# Altium PCB PCB2.PcbDoc (part 1 of 2) (continued)
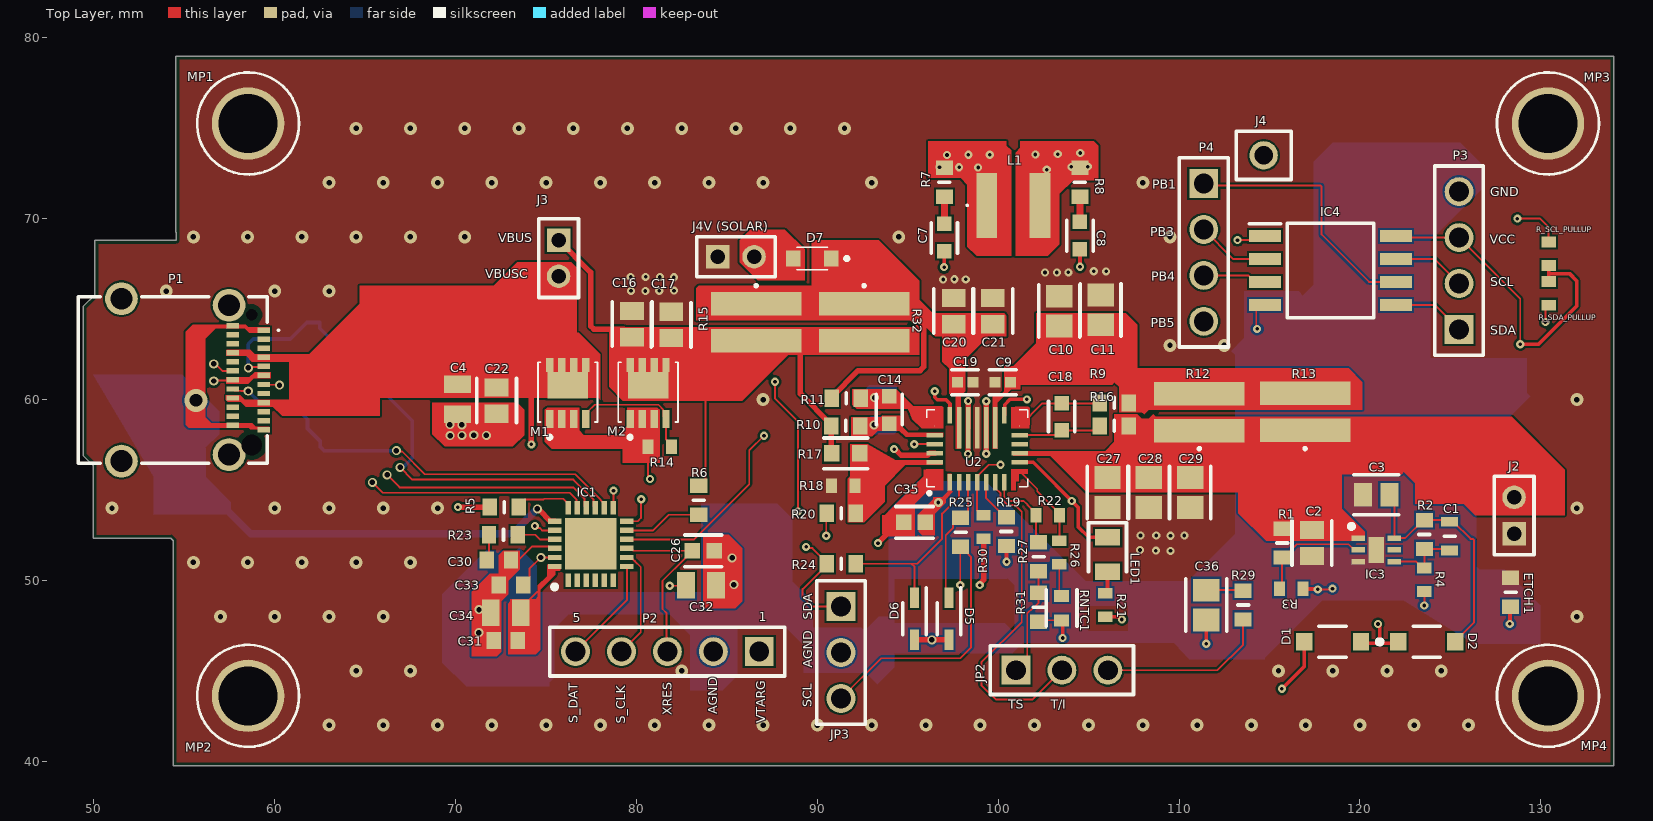
[diagram p0: Top Layer view]
## Footprints (in the part's own frame and the unit in brackets; to place one, negate y for a bottom-side part, rotate by r counter-clockwise, add the part's x,y. Pads: shape width x height; smd on the part's side, far side on the other; paste and mask are expansions set on the pad)
12401598E42A [mm]
  rect 0.3x0.7 smd: A1(-2.75,5.025) A2(-2.25,5.025) A3(-1.75,5.025) A4(-1.25,5.025) A5(-0.75,5.025) A6(-0.25,5.025) A7(0.25,5.025) A8(0.75,5.025) A9(1.25,5.025) A10(1.75,5.025) A11(2.25,5.025) A12(2.75,5.025) B1(2.5,3.325) B2(2,3.325) B3(1.5,3.325) B4(1,3.325) B5(0.5,3.325) B6(0,3.325) B7(-0.5,3.325) B8(-1,3.325) B9(-1.5,3.325) B10(-2,3.325) B11(-2.5,3.325) B12(-3,3.325)
  round 1.815 hole 1.21: MH1(-4.13,3.115) MH2(4.13,3.115) MH3(4.49,-2.835) MH4(-4.49,-2.835)
  round 0.325 hole 0.65 unplated: MH5(-3.6,4.365)
  round 0.575 hole 1.15 unplated: MH6(3.6,4.365)
  silkscreen extent -4.6,-5.23 4.6,5.9, body extent -4.6,-5.17 4.6,5.32, height 3.3
61300311121 [mm] "Pin Header, pitch 2.54 mm, THT, Vertical, single row, 3p"
  rect 1.6x1.6 hole 1.1: 1(-2.54,0)
  round 1.6 hole 1.1: 2(0,0) 3(2.54,0)
  silkscreen extent -3.96,-1.35 3.96,1.35, body extent -3.81,-1.27 3.81,1.27, height 8.57
61300411121 [mm] "Pin Header, pitch 2.54 mm, THT, Vertical, single row, 4p"
  rect 1.6x1.6 hole 1.1: 1(-3.81,0)
  round 1.6 hole 1.1: 2(-1.27,0) 3(1.27,0) 4(3.81,0)
  silkscreen extent -5.23,-1.35 5.23,1.35, body extent -5.08,-1.27 5.08,1.27, height 8.57
61300511121 [mm] "Pin Header, pitch 2.54 mm, THT, Vertical, single row, 5p"
  rect 1.6x1.6 hole 1.1: 1(-5.08,0)
  round 1.6 hole 1.1: 2(-2.54,0) 3(0,0) 4(2.54,0) 5(5.08,0)
  silkscreen extent -6.5,-1.35 6.5,1.35, body extent -6.35,-1.27 6.35,1.27, height 8.57
CAPC1608X80N [mm]
  rect 0.54x0.94 smd: 1(-0.8,0) 2(0.8,0)
  silkscreen extent 0,-0.3 0,0.3, body extent -0.8,-0.4 0.8,0.4, height 0.8
CAPC1608X87N [mm]
  rect 0.8x0.94 smd: 1(-0.67,0) 2(0.67,0)
  body extent -0.8,-0.4 0.8,0.4, height 0.87
CAPC1608X90X35NL10T15 [mm] "Chip Capacitor, 2-Leads, Body 1.60x0.80mm, IPC Medium Density"
  rect 0.85x0.95 smd: 1(-0.675,0) 2(0.675,0)
  body extent -0.85,-0.45 0.85,0.45, height 0.9
CAPC2012X145N [mm]
  rect 0.97x1.47 smd: 1(-0.83,0) 2(0.83,0)
  body extent -1,-0.63 1,0.63, height 1.45
ERJC1 [mm]
  rect 1.3x5 smd: 1(-1.025,0) 2(1.025,0)
  silkscreen extent -2.07,-0.05 -1.98,0.05, body extent -1.25,-2.5 1.25,2.5, height 0.55
FP-9901-MFG [mm]
  round 4 hole 3.264 paste-1000 mask+0: ""(0,0)
  silkscreen extent -2.82,-2.82 2.82,2.82, body extent -2.92,-2.92 2.92,2.92, height 0.25
FP-885012206071-MFG [mm]
  rect 0.8x0.8 smd paste+0 mask+0: 1(-0.75,0) 2(0.75,0)
  silkscreen extent -0.87,-0.72 0.82,0.72, body extent -1.25,-0.55 1.25,0.55, height 0.25
FP-GRM21B-0_2-e0_2_0_7-IPC_B [mm]
  rect 1.255x1.456 smd paste+0 mask+0: 1(-0.826,0) 2(0.826,0)
  silkscreen extent -1.45,-1.13 1.45,1.13, body extent -1.7,-0.98 1.7,0.98, height 0.25
FP-GRM21B-0_15-IPC_C [mm]
  rect 1.006x1.308 smd paste+0 mask+0: 1(-0.726,0) 2(0.726,0)
  silkscreen extent -1.23,-1.1 1.23,1.1, body extent -1.33,-0.8 1.33,0.8, height 0.25
FP-GRM155-0_05-IPC_B [mm]
  rect 0.615x0.572 smd paste+0 mask+0: 1(-0.429,0) 2(0.429,0)
  silkscreen extent -0.74,-0.69 0.74,0.69, body extent -0.89,-0.44 0.89,0.44, height 0.25
FP-GRM188-0_15-IPC_C [mm]
  rect 0.856x0.858 smd paste+0 mask+0: 1(-0.601,0) 2(0.601,0)
  silkscreen extent -1.03,-0.87 1.03,0.87
FP-M22-2510205-MFG [mm]
  rect 1.3x1.3 hole 0.8 paste-1000 mask+0: 1(-1,0)
  round 1.3 hole 0.8 paste-1000 mask+0: 2(1,0)
  silkscreen extent -2.17,-1.1 2.17,1.1, body extent -2.27,-1.2 2.27,1.2, height 0.25
FP-PBC01SAAN-MFG [mm]
  round 1.57 hole 1.02 paste-1000 mask+0: 1(0,0)
  silkscreen extent -1.53,-1.34 1.53,1.34, body extent -1.63,-1.44 1.63,1.44, height 0.25
FP-RC0603-0_55-IPC_B [mm]
  rect 0.859x0.912 smd paste+0 mask+0: 1(-0.777,0) 2(0.777,0)
  silkscreen extent -1.21,-0.86 1.21,0.86, body extent -1.46,-0.71 1.46,0.71, height 0.25
FP-RC0603-0_55-IPC_C [mm]
  rect 0.659x0.812 smd paste+0 mask+0: 1(-0.677,0) 2(0.677,0)
  silkscreen extent -1.01,-0.85 1.01,0.85, body extent -1.11,-0.55 1.11,0.55, height 0.25
FP-SOD123-MFG [mm]
  rect 0.9x0.95 smd paste+0 mask+0: 1(-1.575,0) 2(1.575,0)
  silkscreen extent -2.75,-0.85 0.75,0.85, body extent -2.12,-0.95 2.12,0.95, height 0.25
LEDC2012X80N [mm]
  rect 0.9x1.4 smd: 1(-0.95,0) 2(0.95,0)
  silkscreen extent -1.75,-1.05 0.95,1.05, body extent -1.03,-0.53 0.97,0.47, height 0.82
MP2651 [mm] "MP2651 – BUCK-BOOST CHARGER FOR 1 TO 4 CELLS IN SERIES"
  round 0.025 smd: 1(-1.24,2.184) 9(-1.24,-2.504) 15(1.26,-2.504) 24(1.26,2.183)
  rect 0.9x0.25 smd: 2(-1.84,1.345) 3(-1.84,0.845) 4(-1.84,0.345) 5(-1.84,-0.155) 6(-1.84,-0.655) 7(-1.84,-1.155) 8(-1.84,-1.655) 17(1.86,-1.655) 23(1.86,1.345)
  rect 0.25x0.9 smd: 11(-0.74,-2.517) 12(-0.24,-2.517) 13(0.26,-2.517) 14(0.76,-2.517)
  rect 2.3x0.25 smd: 18(1.16,-1.155) 19(1.16,-0.655) 20(1.16,-0.155) 21(1.16,0.345) 22(1.16,0.845)
  rect 0.25x0.925 smd: 26(0.76,2.183) 27(0.26,2.183) 28(-0.24,2.183) 29(-0.74,2.183)
  Top Layer region: 1.135,1.721 1.135,2.646 1.385,2.646 1.385,2.146 1.81,2.146 1.81,1.971 2.31,1.971 2.31,1.721
  Top Layer region: -2.29,1.721 -2.29,1.971 -1.79,1.971 -1.79,2.146 -1.365,2.146 -1.365,2.646 -1.115,2.646 -1.115,1.721
  Top Layer region: 2.31,-2.042 2.31,-2.292 1.81,-2.292 1.81,-2.467 1.385,-2.467 1.385,-2.967 1.135,-2.967 1.135,-2.042
  Top Layer region: -1.115,-2.042 -1.115,-2.967 -1.365,-2.967 -1.365,-2.467 -1.79,-2.467 -1.79,-2.292 -2.29,-2.292 -2.29,-2.042
  silkscreen extent -2.5,-2.94 2.17,2.63
MPLSE40302R2 [mm]
  rect 1.15x3.6 smd: 1(-1.475,0) 2(1.475,0)
  silkscreen extent -2.6,-0.05 -2.5,0.05, body extent -2,-2 2,2, height 3.1
QFN50P400X400X60-25N-D [mm]
  rect 0.75x0.3 smd: 1(-2,1.25) 2(-2,0.75) 3(-2,0.25) 4(-2,-0.25) 5(-2,-0.75) 6(-2,-1.25) 13(2,-1.25) 14(2,-0.75) 15(2,-0.25) 16(2,0.25) 17(2,0.75) 18(2,1.25)
  rect 0.3x0.75 smd: 7(-1.25,-2) 8(-0.75,-2) 9(-0.25,-2) 10(0.25,-2) 11(0.75,-2) 12(1.25,-2) 19(1.25,2) 20(0.75,2) 21(0.25,2) 22(-0.25,2) 23(-0.75,2) 24(-1.25,2)
  rect 2.85x2.85 smd: 25(0,0)
  silkscreen extent -2.5,1.88 -2.25,2.12, body extent -2.05,-2.05 2.05,2.05, height 0.6
RESC1608X55N [mm]
  rect 0.8x0.95 smd: 1(-0.8,0) 2(0.8,0)
  silkscreen extent 0,-0.3 0,0.3, body extent -0.8,-0.4 0.8,0.4, height 0.55
RESC1608X55X25LL10T15 [mm] "Chip Resistor, 2-Leads, Body 1.60x0.80mm, IPC High Density"
  rect 0.6x0.8 smd: 1(-0.65,0) 2(0.65,0)
  body extent -0.85,-0.45 0.85,0.45, height 0.55
RESC3216X65N [mm]
  rect 1.35x1.85 smd: 1(-1.4,0) 2(1.4,0)
  silkscreen extent 0,-0.7 0,0.7, body extent -1.6,-0.8 1.6,0.8, height 0.65
SOD2713X115N [mm]
  rect 1.125x0.5 smd: 1(-1.162,0) 2(1.162,0)
  silkscreen extent -1.73,-0.65 0.89,0.65, body extent -1.34,-0.65 1.34,0.65, height 1.15
SOIC127P798X216-8N [mm]
  rect 1.75x0.65 smd: 1(-3.625,1.905) 2(-3.625,0.635) 3(-3.625,-0.635) 4(-3.625,-1.905) 5(3.625,-1.905) 6(3.625,-0.635) 7(3.625,0.635) 8(3.625,1.905)
  silkscreen extent -4.5,-2.62 2.4,2.62, body extent -3.99,-2.62 3.99,2.62, height 2.16
SON65P200X200X100-7N-D [mm]
  rect 0.75x0.3 smd: 1(-1,0.65) 2(-1,0) 3(-1,-0.65) 4(1,-0.65) 5(1,0) 6(1,0.65)
  rect 0.85x1.45 smd: 7(0,0)
  silkscreen extent -1.5,1.18 -1.25,1.42, body extent -1.05,-1 1.05,1, height 1
SQ7414AENT1GE3 [mm]
  rect 0.99x0.405 smd: 1(-1.018,0.99) 2(-1.018,0.33) 3(-1.018,-0.33) 4(-1.018,-0.99)
  rect 0.76x0.405 smd: 5(1.967,-0.99) 6(1.967,-0.33) 7(1.967,0.33) 8(1.967,0.99)
  rect 1.475x2.235 smd: 9(0.85,0)
  silkscreen extent -2.12,-1.65 2.12,1.65, body extent -1.18,-1.65 2.12,1.65, height 1.06
UDZVTE1722B [mm]
  rect 0.9x0.8 smd: 1(0,0.575) 2(0,-1.525)
  silkscreen extent -0.63,-1.33 0.63,1.52, body extent -0.63,-1.76 0.63,0.74, height 0.71

## Part data
C1: "Capacitor", Manufacturer_Name=TDK, Mouser Part Number=810-C1608X7R1H102KAE, Arrow Part Number=C1608X7R1H102K080AE, Arrow Price/Stock=https://www.arrow.com/en/products/c1608x7r1h102k080ae/tdk, Datasheet Link=https://product.tdk.com/info/en/catalog/datasheets/mlcc_commercial_midvoltage_en.pdf, Height=0.8mm, Manufacturer_Part_Number=C1608X7R1H102K080AE, Mouser Price/Stock=https://www.mouser.co.uk/ProductDetail/TDK/C1608X7R1H102K080AE?qs=n%2FVzw7c4a0k2XAaPZBtj3A%3D%3D
C2 C3 C16 C17 C20 C21 C22: library part CMP-2007-03541-2, "Chip Multilayer Ceramic Capacitors for General Purpose, 0805, 10uF, X5R, 15%, 10%, 25V", Capacitance=10uF, Case Code (Imperial)=0805, Case Code (Metric)=2012, Dielectric=X5R, Max Operating Temperature=85°C, Min Operating Temperature=-55°C, Package Quantity=1, Tolerance=10%, Voltage=25V, Case/Package=0805, Depth=1.25mm, Height=1.25mm, Lead Free="Lead Free", Length=2mm, Material=Ceramic, Mount="Surface Mount", Packaging="Tape and Reel", Radiation Hardening=No, Termination=SMD/SMT, Thickness=0.053inch, Voltage Rating=25V, Voltage Rating (DC)=25V, Width=0.049inch
C4 C32 C34: "Capacitor", Manufacturer_Name="Murata Electronics", Mouser Part Number=81-GRM40X105K10K, Arrow Part Number=GRM21BR71A105KA01K, Arrow Price/Stock=https://www.arrow.com/en/products/grm21br71a105ka01k/murata-manufacturing, Datasheet Link=http://www.murata.com/~/media/webrenewal/support/library/catalog/products/capacitor/mlcc/c02e.pdf, Height=1.45mm, Manufacturer_Part_Number=GRM21BR71A105KA01K, Mouser Price/Stock=https://www.mouser.co.uk/ProductDetail/Murata-Electronics/GRM21BR71A105KA01K?qs=Rc6BINVvJ%2FiXBniUY2d%2FOg%3D%3D
C5 C6: library part CMP-2006-02914-1, Manufacturer=Murata, Part Number=GRM188R71H331KA01D
C7 C8 C12 C13 C14 C18: library part CMP-207839-000033-1, "CAP CER 0.1UF 25V X7R 0603", Capacitance=100nF, Case Code (Imperial)=0603, Case Code (Metric)=1608, Dielectric=X7R, Max Operating Temperature=125°C, Min Operating Temperature=-55°C, Tolerance=10%, Voltage Rating=25V, Case/Package=0603, Length=0.063inch, Mount="Surface Mount", Packaging="Cut Tape", RoHS Compliant=Yes, Series=WCAP-CSGP, Thickness=0.037inch, Voltage Rating (DC)=25V, Width=0.031inch
C9 C19: library part CMP-2008-04581-2, "Chip Multilayer Ceramic Capacitors for General Purpose, 0402, 1.0uF, X5R, 15%, 10%, 25V", Capacitance=1uF, Case Code (Imperial)=0402, Case Code (Metric)=1005, Dielectric=X5R, Max Operating Temperature=85°C, Min Operating Temperature=-55°C, Package Quantity=10000, Tolerance=10%, Voltage=25V, Case/Package=0402, Depth=0.5mm, Height=0.5mm, Lead Free="Lead Free", Length=1mm, Material=Ceramic, Mount="Surface Mount", Packaging="Tape and Reel", REACH SVHC="No SVHC", Termination=SMD/SMT, Thickness=0.022inch, Voltage Rating=25V, Voltage Rating (DC)=25V, Weight=0.000212oz, Width=0.5mm
C10 C11 C27 C28 C29 C36: library part CMP-2007-03222-3, "Chip Multilayer Ceramic Capacitors for General Purpose, 0805, 22uF, X5R, 15%, 20%, 25V", Capacitance=22uF, Case Code (Imperial)=0805, Case Code (Metric)=2012, Dielectric=X5R, Max Operating Temperature=85°C, Min Operating Temperature=-55°C, Package Quantity=3000, Resistor Type=Ceramic, Tolerance=20%, Voltage=25V, Case/Package=0805, Depth=1.25mm, Height=1.25mm, Lead Free="Lead Free", Length=2mm, Material=Ceramic, Mount="Surface Mount", Packaging="Tape and Reel", REACH SVHC="No SVHC", Termination=SMD/SMT, Thickness=0.057inch, Voltage Rating=25V, Voltage Rating (DC)=25V, Weight=0.000335oz, Width=1.25mm
C26 C35: library part CMP-2006-02523-2, "Chip Multilayer Ceramic Capacitors for General Purpose, 0603, 4.7uF, X5R, 15%, 10%, 25V", Capacitance=4.7uF, Case Code (Imperial)=0603, Case Code (Metric)=1608, Dielectric=X5R, Max Operating Temperature=85°C, Min Operating Temperature=-55°C, Package Quantity=4000, Tolerance=10%, Voltage=25V, Case/Package=0603, Depth=0.8mm, Height=0.8mm, Lead Free="Lead Free", Length=1.6mm, Material=Ceramic, Mount="Surface Mount", Packaging="Cut Tape", REACH SVHC="No SVHC", Thickness=0.031inch, Voltage Rating=25V, Voltage Rating (DC)=25V, Width=0.031inch
C30 C31 C33: "Capacitor", Manufacturer_Name="Wurth Elektronik", Mouser Part Number=710-885012206071, Datasheet Link=https://katalog.we-online.com/pbs/datasheet/885012206071.pdf, Height=0.87mm, Manufacturer_Part_Number=885012206071, Mouser Price/Stock=https://www.mouser.co.uk/ProductDetail/Wurth-Elektronik/885012206071?qs=0KOYDY2FL2%2FEBQkuHgvarg%3D%3D
D1 D2: library part CMP-12790-000026-1, "DIODE SCHOTTKY 20V 500MA SOD123", Capacitance=170pF, Forward Current=0.5A, Manufacturer="Diodes Inc.", Max Junction Temp=+125°C, Max Repetitive Reverse Voltage=20V, Max Surge Forward Current=5.5A, Package=SOD123, Peak Reverse Current=250uA, Temperature="-65°C to +125°C", Temperature Range Low=-65°C, Automotive=No, Category=Diode, ComponentLink2Description=Datasheet, ComponentLink2URL=https://www.diodes.com/assets/Datasheets/ds30051.pdf, Device Class L1="Discrete Semiconductors", Device Class L2=Diodes, Device Class L3="Schottky Diodes", Digikey Description="DIODE SCHOTTKY 20V 500MA SOD123", Footprint Url=https://www.diodes.com/assets/Package-Files/SOD123.pdf, Height=1.45mm, Ipc Land Pattern Name=SOD365155X123-2, Lead Free=Yes, Manufacturer Part Number=B0520LW-7-F, Mouser Description="Schottky Diodes & Rectifiers 20V 410mW", Octopart=https://octopart.com/b0520lw-7-f-diodes+inc.-325707, Reverse Voltage=20V, RoHS=TRUE, Standoff Height=0mm, Temperature Range High=+125°C
D3 D4 D5 D6: "Diode ESD (Bi-directional)", Manufacturer_Name=Vishay, Mouser Part Number=78-VLIN1626-02GHE318, Datasheet Link=https://www.mouser.com/datasheet/2/427/vlin1626_02g-1767732.pdf, Height=1.15mm, Manufacturer_Part_Number=VLIN1626-02GHE3-18, Mouser Price/Stock=https://www.mouser.co.uk/ProductDetail/Vishay-Semiconductors/VLIN1626-02GHE3-18?qs=nIjV%252BW72yUtWws5A0kqvDg%3D%3D
D7: "Diode", Manufacturer_Name="ROHM Semiconductor", Mouser Part Number=755-1SS355VMTE-17, Datasheet Link=https://datasheet.datasheetarchive.com/originals/distributors/Datasheets_SAMA/726503b2436a9ce4bc644e4966373f1b.pdf, Height=0mm, Manufacturer_Part_Number=1SS355VMTE-17, Mouser Price/Stock=https://www.mouser.co.uk/ProductDetail/ROHM-Semiconductor/1SS355VMTE-17?qs=IsRgwgmxh693733hapxfjA%3D%3D
ETCH1 R1 R5 R6 R7 R8 R19 R20 R23 R29: "Resistor", Manufacturer_Name=YAGEO, Mouser Part Number=603-RC0603JR-070RL, Arrow Part Number=RC0603JR-070RL, Arrow Price/Stock=https://www.arrow.com/en/products/rc0603jr-070rl/yageo?region=europe, Datasheet Link=https://componentsearchengine.com/Datasheets/2/RC0603JR-070RL.pdf, Height=0.55mm, Manufacturer_Part_Number=RC0603JR-070RL, Mouser Price/Stock=https://www.mouser.co.uk/ProductDetail/YAGEO/RC0603JR-070RL?qs=2cAdsCoAWRGWyPcuXgGiXQ%3D%3D
IC1: "Integrated Circuit", Manufacturer_Name="Cypress Semiconductor", Mouser Part Number=727-CYPD3171-24LQXQT, Arrow Part Number=CYPD3171-24LQXQT, Arrow Price/Stock=https://www.arrow.com/en/products/cypd3171-24lqxqt/cypress-semiconductor, Datasheet Link=https://www.infineon.com/dgdl/Infineon-EZ-PD(TM)_CCG3PA_Datasheet_USB_Type-C_Port_Controller-DataSheet-v09_00-EN.pdf?fileId=8ac78c8c7d0d8da4017d0ee438366ac0, Height=0.6mm, Manufacturer_Part_Number=CYPD3171-24LQXQT, Mouser Price/Stock=https://www.mouser.co.uk/ProductDetail/Cypress-Semiconductor/CYPD3171-24LQXQT?qs=%252BEew9%252B0nqrAzf6gHzBBxqw%3D%3D
IC3: "Integrated Circuit", Manufacturer_Name="Monolithic Power Systems (MPS)", Mouser Part Number=946-MP2013AGG-Z, Datasheet Link=https://www.monolithicpower.com/en/documentview/productdocument/index/version/2/document_type/Datasheet/lang/en/sku/MP2013A/, Height=1mm, Manufacturer_Part_Number=MP2013AGG-Z, Mouser Price/Stock=https://www.mouser.co.uk/ProductDetail/Monolithic-Power-Systems-MPS/MP2013AGG-Z?qs=cslStgdnz9N9a41kZxTVVA%3D%3D
IC4: "Integrated Circuit", Manufacturer_Name=Microchip, Mouser Part Number=556-ATTINY85-20SU, Arrow Part Number=ATTINY85-20SU, Arrow Price/Stock=https://www.arrow.com/en/products/attiny85-20su/microchip-technology?region=nac, Datasheet Link=https://componentsearchengine.com/Datasheets/2/ATTINY85-20SU.pdf, Height=2.16mm, Manufacturer_Part_Number=ATTINY85-20SU, Mouser Price/Stock=https://www.mouser.co.uk/ProductDetail/Microchip-Technology-Atmel/ATTINY85-20SU?qs=8jWQYweyg6N%2FGXnwAe4Icw%3D%3D
J2 J3 "J4V (SOLAR)": library part CMP-15831-000005-1, "CONN HEADER VERT 2POS 2MM", Current Rating=2A, Manufacturer=Harwin, Package=0, Temperature="-40°C to +105°C", Temperature Range High=+105°C, Temperature Range Low=-40°C, Automotive=No, Category=Conn, ComponentLink2Description=Datasheet, ComponentLink2URL=https://cdn.harwin.com/pdfs/C018XX_M22_Series_Connectors.pdf, Conn Gender=Male, Conn Orientation=Vertical, Contact Material=Gold,Nickel, Device Class L1=Connectors, Device Class L2="Headers and Wire Housings", Device Class L3=unset, Digikey Description="CONN HEADER VERT 2POS 2MM", Footprint Url=https://cdn.harwin.com/pdfs/M22-251.pdf, Height=5.45mm, Lead Free=Yes, Manufacturer Part Number=M22-2510205, Mouser Description="Headers & Wire Housings 2 PIN SIL VERTICAL GOLD PIN HEADER", Number Of Contacts=2, Number Of Rows=1, Octopart=https://octopart.com/m22-2510205-harwin-2538221, Pitch=2mm, RoHS=TRUE
J4: library part CMP-25680-000032-1, "CONN HEADER VERT 1POS", Color=Black, Package Quantity=1, Connector Type="Male Pin", Contact Material=Bronze, Contact Mating Length=0.23inch, Contact Plating=Gold, Gender=Male, Height=2.54mm, Housing Color=Black, Housing Material=Plastic, Lead Free="Lead Free", Length=2.54mm, Mount="Through Hole", Number Of Contacts=1, Number of Positions=1, Number Of Rows=1, Packaging=Bulk, Pitch=2.54mm, Termination=Solder, Width=2.54mm
JP2 JP3: library part CMP-1502-01062-1, "THT Vertical Pin Header WR-PHD, Pitch 2.54 mm, Single Row, 3 pins", Contact Resistance=20mOhm, Manufacturer="Wurth Elektronik", Operating Temperature=-40to105degC, Rated Current=3A, Withstanding Voltage=500VAC, Working Voltage=250VAC, Datasheet URL=https://katalog.we-online.de/em/datasheet/6130xx11121.pdf, Gender=Male, Manufacturer URL=http://www.we-online.de, Mounting Technology=THT, Orientation=Vertical, Package Reference=61300311121, Packaging=Bag, Part Number=61300311121, Pin Number=3, Pitch=2.54mm, Publisher=WurthElektronik, Row Number=Single
L1: "Inductor", Manufacturer_Name="Monolithic Power Systems (MPS)", Mouser Part Number=946-MPL-SE4030-2R2, Datasheet Link=https://www.monolithicpower.com/en/documentview/productdocument/index/version/2/document_type/Datasheet/lang/en/sku/MPL-SE4030-2R2/document_id/5900/, Height=3mm, Manufacturer_Part_Number=MPL-SE4030-2R2, Mouser Price/Stock=https://www.mouser.co.uk/ProductDetail/Monolithic-Power-Systems-MPS/MPL-SE4030-2R2?qs=sPbYRqrBIVkUqvyiguqldQ%3D%3D
LED1: "LED", Manufacturer_Name="Wurth Elektronik", Mouser Part Number=710-150080VS75000, Datasheet Link=http://katalog.we-online.com/led/datasheet/150080VS75000.pdf, Height=0.8mm, Manufacturer_Part_Number=150080VS75000, Mouser Price/Stock=https://www.mouser.co.uk/ProductDetail/Wurth-Elektronik/150080VS75000?qs=LlUlMxKIyB0tGHJmO6%252B0ug%3D%3D
M1 M2: "MOSFET (N-Channel)", Manufacturer_Name=Vishay, Mouser Part Number=78-SISA14DN-T1-GE3, Arrow Part Number=SISA14DN-T1-GE3, Arrow Price/Stock=https://www.arrow.com/en/products/sisa14dn-t1-ge3/vishay?region=nac, Datasheet Link=https://www.vishay.com/docs/63252/sisa14dn.pdf, Manufacturer_Part_Number=SISA14DN-T1-GE3, Mouser Price/Stock=https://www.mouser.co.uk/ProductDetail/Vishay-Siliconix/SISA14DN-T1-GE3?qs=mtIy1uf5%252BARMEfEzOtCo6A%3D%3D
MP1 MP2 MP3 MP4: library part CMP-19664-000002-1, "MACHINE SCREW PAN PHILLIPS 4-40", Package Quantity=100, Head Height=0.065inch, Lead Free="Lead Free", Length=0.44inch, Material="Stainless Steel", Mount=Screw, Outside Diameter=0.212inch, Series=-, Thread Size=#4-40
P1: "Connector", Manufacturer_Name="Amphenol Communications Solutions", Mouser Part Number=523-12401598E4#2A, Arrow Part Number=12401598E4#2A, Arrow Price/Stock=https://www.arrow.com/en/products/12401598e42a/amphenol-fci?region=nac, Datasheet Link=https://cdn.amphenol-icc.com/media/wysiwyg/files/drawing/12401598xxx2a.pdf, Height=3.43mm, Manufacturer_Part_Number=12401598E4#2A, Mouser Price/Stock=https://www.mouser.co.uk/ProductDetail/Amphenol-Commercial-Products/12401598E42A?qs=367PjNmvCmllVMBVyIyS3w%3D%3D
P2: library part CMP-1502-01068-1, "THT Vertical Pin Header WR-PHD, Pitch 2.54 mm, Single Row, 5 pins", Contact Resistance=20mOhm, Manufacturer="Wurth Elektronik", Operating Temperature=-40to105degC, Rated Current=3A, Withstanding Voltage=500VAC, Working Voltage=250VAC, Datasheet URL=https://katalog.we-online.de/em/datasheet/6130xx11121.pdf, Gender=Male, Manufacturer URL=http://www.we-online.de, Mounting Technology=THT, Orientation=Vertical, Package Reference=61300511121, Packaging=Bag, Part Number=61300511121, Pin Number=5, Pitch=2.54mm, Publisher=WurthElektronik, Row Number=Single
P3 P4: library part CMP-1502-01064-1, "THT Vertical Pin Header WR-PHD, Pitch 2.54 mm, Single Row, 4 pins", Contact Resistance=20mOhm, Manufacturer="Wurth Elektronik", Operating Temperature=-40to105degC, Rated Current=3A, Withstanding Voltage=500VAC, Working Voltage=250VAC, Datasheet URL=https://katalog.we-online.de/em/datasheet/6130xx11121.pdf, Gender=Male, Manufacturer URL=http://www.we-online.de, Mounting Technology=THT, Orientation=Vertical, Package Reference=61300411121, Packaging=Bag, Part Number=61300411121, Pin Number=4, Pitch=2.54mm, Publisher=WurthElektronik, Row Number=Single
R2 RS1: "Resistor", Manufacturer_Name=YAGEO
  R2: Datasheet Link=https://www.mouser.com/datasheet/2/447/PYu_RC_Group_51_RoHS_L_11-1984063.pdf, Height=0.55mm, Manufacturer_Part_Number=RC0603JR-072ML
  RS1: Datasheet Link=https://www.mouser.com/datasheet/2/447/PYu_PA0100_2512_51_RoHS_2-2604383.pdf, Height=0.65mm, Manufacturer_Part_Number=PA1206FRF070R005L
R3 R26 R30: library part CMP-1012-00091-2, "Chip Resistor, 5.1 KOhm, +/- 5%, 0.1 W, -55 to 155 degC, 0603 (1608 Metric), RoHS, Tape and Reel", Case Code - in=0603, Case Code - mm=1608, Manufacturer=Yageo, Operating Temperature Range=-55Cto+155C, Package Description="2-Pin Surface Mount Device, Body 1.6 x 0.8 mm", Power Rating=100mW, Resistance=5.1kOhms, Temperature Coefficient=100PPM/C, Tolerance=5%, Voltage Rating=50V, Datasheet URL=http://www.yageo.com/documents/recent/PYu-RC_Group_51_RoHS_L_7.pdf, Datasheet Version="Rev. 7, 05/2017", Manufacturer URL=http://www.yageo.com/, Mounting Technology=SurfaceMount, Package Reference=0603, Packaging=Reel, Product=ThickFilmResistorsGeneralPurpose, Series=RC, Termination Style=SMD/SMT
R4 R14: library part CMP-1659-00056-1, "Chip Resistor, 1 MOhm, +/- 1%, 100 mW, -55 to 155 degC, 0603 (1608 Metric), RoHS, Tape and Reel", Capacitance="1 mF", Case\Package=Radial, Max Operating Temperature="85 degC", Min Operating Temperature="-40 degC", Package Quantity=200, Tolerance=20%, Voltage Rating="25 V", ComponentLink1Description="Manufacturer URL", ComponentLink1URL=http://www.yageo.com/, ComponentLink2Description=Datasheet, ComponentLink2URL=http://www.yageo.com/documents/recent/PYu-RC_Group_51_RoHS_L_04.pdf, DatasheetVersion="Rev. 4, 02/2016", Diameter="10 mm", Height="20 mm", Lead Pitch="5 mm", Length="20 mm", Mount="Through Hole", PackageDescription="2-Pin Surface Mount Device, Body 1.6 x 0.8 mm", PackageReference=0603, Packaging=Bulk, Radiation Hardening=No, REACH SVHC="No SVHC", RoHSCompliant=true, Voltage Rating (DC)="25 V", Width="0 inch"
R9 R10 R11 R16 R24 R25: "Resistor", Manufacturer_Name="ROHM Semiconductor", Datasheet Link=https://www.mouser.com/datasheet/2/348/ROHM_S_A0009648217_1-2563033.pdf, Height=0.55mm, Manufacturer_Part_Number=SFR03EZPJ2R0
R12 R13 R15 R32: "Resistor", Manufacturer_Name=Panasonic, Mouser Part Number=667-ERJ-C1CFR02U, Datasheet Link=https://industrial.panasonic.com/cdbs/www-data/pdf/RDP0000/AOA0000C340.pdf, Height=0.75mm, Manufacturer_Part_Number=ERJ-C1CFR02U, Mouser Price/Stock=https://www.mouser.co.uk/ProductDetail/Panasonic/ERJ-C1CFR02U?qs=Z3CaLxJiOJL4jODaXLT4ow%3D%3D
R17: library part CMP-03412-037786-1, "RES SMD 200K OHM 1% 1/10W 0603", Case Code (Imperial)=0603, Case Code (Metric)=1608, Max Operating Temperature=155°C, Max Power Dissipation=100mW, Min Operating Temperature=-55°C, Package Quantity=1, Resistance=200kR, Resistance Tolerance=1%, Resistor Type="Thick Film", Temperature Coefficient=100ppm/°C, Voltage Rating=50V, Case/Package=0603, Construction=Rectangular, Depth=0.8mm, Features="Moisture Resistant", Height=0.022inch, Lead Free="Lead Free", Length=1.6mm, Military Standard=Not, Number of Pins=2, Number of Terminations=2, Packaging="Tape and Reel", Power Rating=100mW, REACH SVHC="No SVHC", RoHS Compliant=Yes, Series=RC, Size Code=0603, Termination=SMD/SMT, Tolerance=1%, Voltage Rating (DC)=50V, Width=0.031inch
R18: library part CMP-2000-06927-1, "Chip Resistor, 13 KOhm, +/- 1%, 0.1 W, -55 to 155 degC, 0603 (1608 Metric), RoHS, Tape and Reel", Case Code - in=0603, Case Code - mm=1608, Manufacturer=Yageo, Operating Temperature Range=-55Cto+155C, Package Description="2-Pin Surface Mount Device, Body 1.6 x 0.8 mm", Power Rating=100mW, Resistance=13kOhms, Temperature Coefficient=100PPM/C, Tolerance=1%, Voltage Rating=50V, Datasheet URL=http://www.yageo.com/documents/recent/PYu-RC_Group_51_RoHS_L_7.pdf, Datasheet Version="Rev. 7, 05/2017", Manufacturer URL=http://www.yageo.com/, Mounting Technology=SurfaceMount, Package Reference=0603, Packaging=Reel, Product=ThickFilmResistorsGeneralPurpose, Series=RC, Termination Style=SMD/SMT
R21 R_SCL_PULLUP R_SDA_PULLUP: library part CMP-2000-06937-1, "Chip Resistor, 2 KOhm, +/- 1%, 50 V, -55 to 155 degC, 0603 (1608 Metric), RoHS, Tape and Reel", Manufacturer=Yageo, Operating Temperature=-55°C~155°C, Package / Case=0603(1608Metric), Package Description="2-Pin Surface Mount Device, Body 1.6 x 0.8 mm", Package Reference=0603, Power (Watts)=0.1W,1/10W, Resistance (Ohms)=2k, Standard Package=1, Temperature Coefficient=±100ppm/°C, Tolerance=±1%, Catalog Drawings=ThickFilmResistorTopThickFilmResistorSide, Category=Resistors, Composition=ThickFilm, Datasheet URL=http://www.yageo.com/documents/recent/PYu-RC_Group_51_RoHS_L_7.pdf, Datasheet Version="Rev. 7, 05/2017", EDA / CAD Models=DownloadfromAcceleratedDesigns, Family=ChipResistor-SurfaceMount, Features=MoistureResistant, Height="0.022\"(0.55mm)", HTML Datasheet=RCSeries,LSuffixDatasheet.html, Kits=PHH4-KIT-ND-RESKIT1K-9.76K1/10W5700PCS, Manufacturer URL=http://www.yageo.com/, Mounting Technology=SurfaceMount, Number of Terminations=2, Online Catalog=RC0603Series, Other Names=311-2.00KHRCT, Packaging=CutTape(CT), PCN Other=RC/AC0603/0805/120622/Jan/2013, Product Training Modules=ChipResistor, Series=RC, Size / Dimension="0.063\"Lx0.031\"W(1.60mmx0.80mm)", Supplier Device Package=0603
R22: library part CMP-1659-00032-1, "Chip Resistor, 15 KOhm, +/- 1%, 0.1 W, -55 to 155 degC, 0603 (1608 Metric), RoHS, Tape and Reel", ComponentLink1Description="Manufacturer URL", ComponentLink1URL=http://www.yageo.com/, ComponentLink2Description=Datasheet, ComponentLink2URL=http://www.yageo.com/documents/recent/PYu-RC_Group_51_RoHS_L_04.pdf, DatasheetVersion="Rev. 4, 02/2016", PackageDescription="2-Pin Surface Mount Device, Body 1.6 x 0.8 mm", PackageReference=0603, RoHSCompliant=true
R27 R31: "Resistor", Manufacturer_Name=YAGEO, Mouser Part Number=603-RC0603JR-07100KL, Arrow Part Number=RC0603JR-07100KL, Arrow Price/Stock=https://www.arrow.com/en/products/rc0603jr-07100kl/yageo?region=europe, Datasheet Link=https://www.yageo.com/upload/media/product/productsearch/datasheet/rchip/PYu-RC_Group_51_RoHS_L_12.pdf, Height=0.55mm, Manufacturer_Part_Number=RC0603JR-07100KL, Mouser Price/Stock=https://www.mouser.co.uk/ProductDetail/YAGEO/RC0603JR-07100KL?qs=2cAdsCoAWRG9Rhqklpdeqg%3D%3D
RNTC1: library part CMP-2100-03664-2, "RES 10K OHM 1% 1/10W 0603", Case Code (Imperial)=0603, Case Code (Metric)=1608, Max Operating Temperature=155°C, Max Power Dissipation=100mW, Min Operating Temperature=-55°C, Resistance=10kR, Resistance Tolerance=1%, Resistor Type="Thick Film", Temperature Coefficient=100ppm/°C, Voltage Rating=75V, Voltage Rating (DC)=50V, Case/Package=0603, Construction=Rectangular, Depth=0.8mm, Features="Moisture Resistant", Height=0.45mm, Lead Free="Lead Free", Lead Pitch=0.3mm, Length=1.6mm, Military Standard=Not, Number of Pins=2, Number of Terminations=2, Packaging="Tape and Reel", Power Rating=100mW, RoHS Compliant=Yes, Series=RC, Size Code=0603, Termination=SMD/SMT, Tolerance=1%, Weight=7.1E-05oz, Width=0.8mm
U2: "MP2651 – BUCK-BOOST CHARGER FOR 1 TO 4 CELLS IN SERIES"

## Via types
v1: diameter 0.711, hole 0.3, Top Layer to Bottom Layer, 81 vias
v2: diameter 0.45, hole 0.2, Top Layer to Bottom Layer, 77 vias
v3: diameter 0.5, hole 0.3, Top Layer to Bottom Layer, 24 vias
v4: diameter 0.5, hole 0.2, Top Layer to Bottom Layer, 1 vias
v5: diameter 1.27, hole 0.711, Top Layer to Bottom Layer, 1 vias

## Nets (pads, with @x,y where several pads share a name; then routed paths per layer and width w, separated by ;. In a path a pad name is that pad's centre, name@x,y a point inside that pad or via, vN(x,y) a via of type N, cw(c..) or ccw(c..) an arc to the next point about the centre after c; other vN are vias at no path point)
ACOK: J4.1 LED1.1 U2.11 | length 35
  Top Layer w0.2: U2.11@101.196,56.537 101.93,56.537 104.417,54.05 104.417,52.969 105.001,52.385 LED1.1@106.045,52.385
  Mid Layer 2 w0.102: v2(104.068,54.392) 108.909,59.233 108.909,73.791 109.52,74.402 113.783,74.402 J4.1@114.679,73.506
ADDR: R19.2 U2.6 | length 2.4
  Top Layer w0.102: U2.6@99.334,55.437 99.334,54.553 100.382,53.505 R19.2@100.457,53.505
AGND: C26.1 C30.2 C31.2 C32.2 C33.1 C34.1 C35.2 C36.2 D5.2 D6.2 ETCH1.2 IC1.22 IC4.4 JP3.2 P2.2 P3.4 R3.1 R4.1 R19.1 R31.1 RNTC1.1 U2.2 | length 14.2
  Top Layer w0.102: C30.2@73.061,51.132 73.135,51.206 73.554,51.206 74.216,51.869 75.147,51.869 IC1.22@75.471,51.771 ; v2@100.457,51.045 v2(100.465,51.037) ; R31.1@102.235,47.714 102.317,47.796 RNTC1.1@103.505,47.796 RNTC1.1@103.564,47.737 ; v2(111.503,46.499) v2@111.506,46.502 ; v2(114.318,63.908) 114.318,63.966 114.268,64.016 114.268,64.959 114.542,65.233 IC4.4@114.75,65.233 ; v2@117.524,49.53 117.543,49.549 117.627,49.549 v2(117.671,49.505) 118.441,49.505 v2(118.486,49.55) ; v2(123.561,48.613) 123.571,48.623 R4.1@123.571,49.388 ; v2(128.284,47.598) v2@128.302,47.616 ; ETCH1.2@128.302,48.522 ETCH1.2@128.331,48.551
  Top Layer w0.2: v2@100.457,51.045 R19.1@100.457,51.905 ; v2(103.564,46.819) RNTC1.1@103.564,47.737 ; v2@111.506,46.502 C36.2@111.506,47.815 ; R3.1@116.855,49.53 v2@117.524,49.53 ; v2@128.302,47.616 ETCH1.2@128.302,48.522
  Top Layer w0.3: D6.2@95.377,46.717 D5.2@97.282,46.717
  other v3: 96.329,46.717 71.284,47.12 71.291,48.383 85.384,49.766 85.288,51.247
  other v4: 96.69,54.309
CC1: C5.2 D3.1 IC1.15 P1.A5 | length 29.1
  Top Layer w0.102: v3(58.544,61.75) 58.587,61.794 59.338,61.794 P1.A5@59.381,61.837 ; v3(66.927,56.255) 67.606,55.576 76.514,55.576 77.627,54.464 77.627,54.115 IC1.15@77.721,54.021
  Bottom Layer w0.2: v3(58.544,61.75) 58.527,61.767 58.527,63.071 58.81,63.354 C5.2@60.802,63.354 60.852,63.354 61.761,64.263 D3.1@62.487,64.263 62.487,63.95 67.602,58.835 67.602,56.759 67.174,56.331 67.003,56.331 v3(66.927,56.255)
CC2: C6.2 D4.1 IC1.14 P1.B5 | length 23.9
  Top Layer w0.102: P1.B5@57.681,60.587 57.78,60.488 58.116,60.488 58.131,60.473 v3(58.533,60.473) ; v3(66.726,57.178) 66.775,57.129 67.043,57.129 68.295,55.877 76.606,55.877 78.023,54.459 78.023,54.444 78.221,54.246 IC1.14@78.221,54.021
  Bottom Layer w0.2: v3(58.533,60.473) 58.533,60.465 59.189,59.809 C6.2@60.872,59.809 60.922,59.809 61.81,58.921 61.81,58.4 62.522,57.688 D4.1@62.522,57.375 62.719,57.178 v3(66.726,57.178)
CSP: IC1.19 P1.A1 P1.A12 P1.B1 P1.B12 RS1.1 | length 20
  Top Layer w0.102: P1.A12@59.355,58.363 P1.A12@59.381,58.337 59.581,58.337 P1.A12@59.68,58.238
  Top Layer w0.3: P1.B12@57.481,64.087 P1.B12@57.681,64.087 ; v3(74.517,53.958) 74.556,53.919 74.598,53.919 75.246,53.271 IC1.19@75.471,53.271
  Bottom Layer w0.4: 57.389,53.848 58.654,52.583 73.142,52.583 v3(74.517,53.958)
  other v5: 55.648,59.962